# Altium PCB pqm_v2_310816.PcbDoc (part 2 of 2)
Units mil, origin at the board's own origin, x right, y up, seen from the top; angles counter-clockwise.
Board outline 5393.7 x 3307.09 mil, 2 copper layers (Top Layer, Bottom Layer); 241 components, 186 nets, 846 pads, 198 vias.
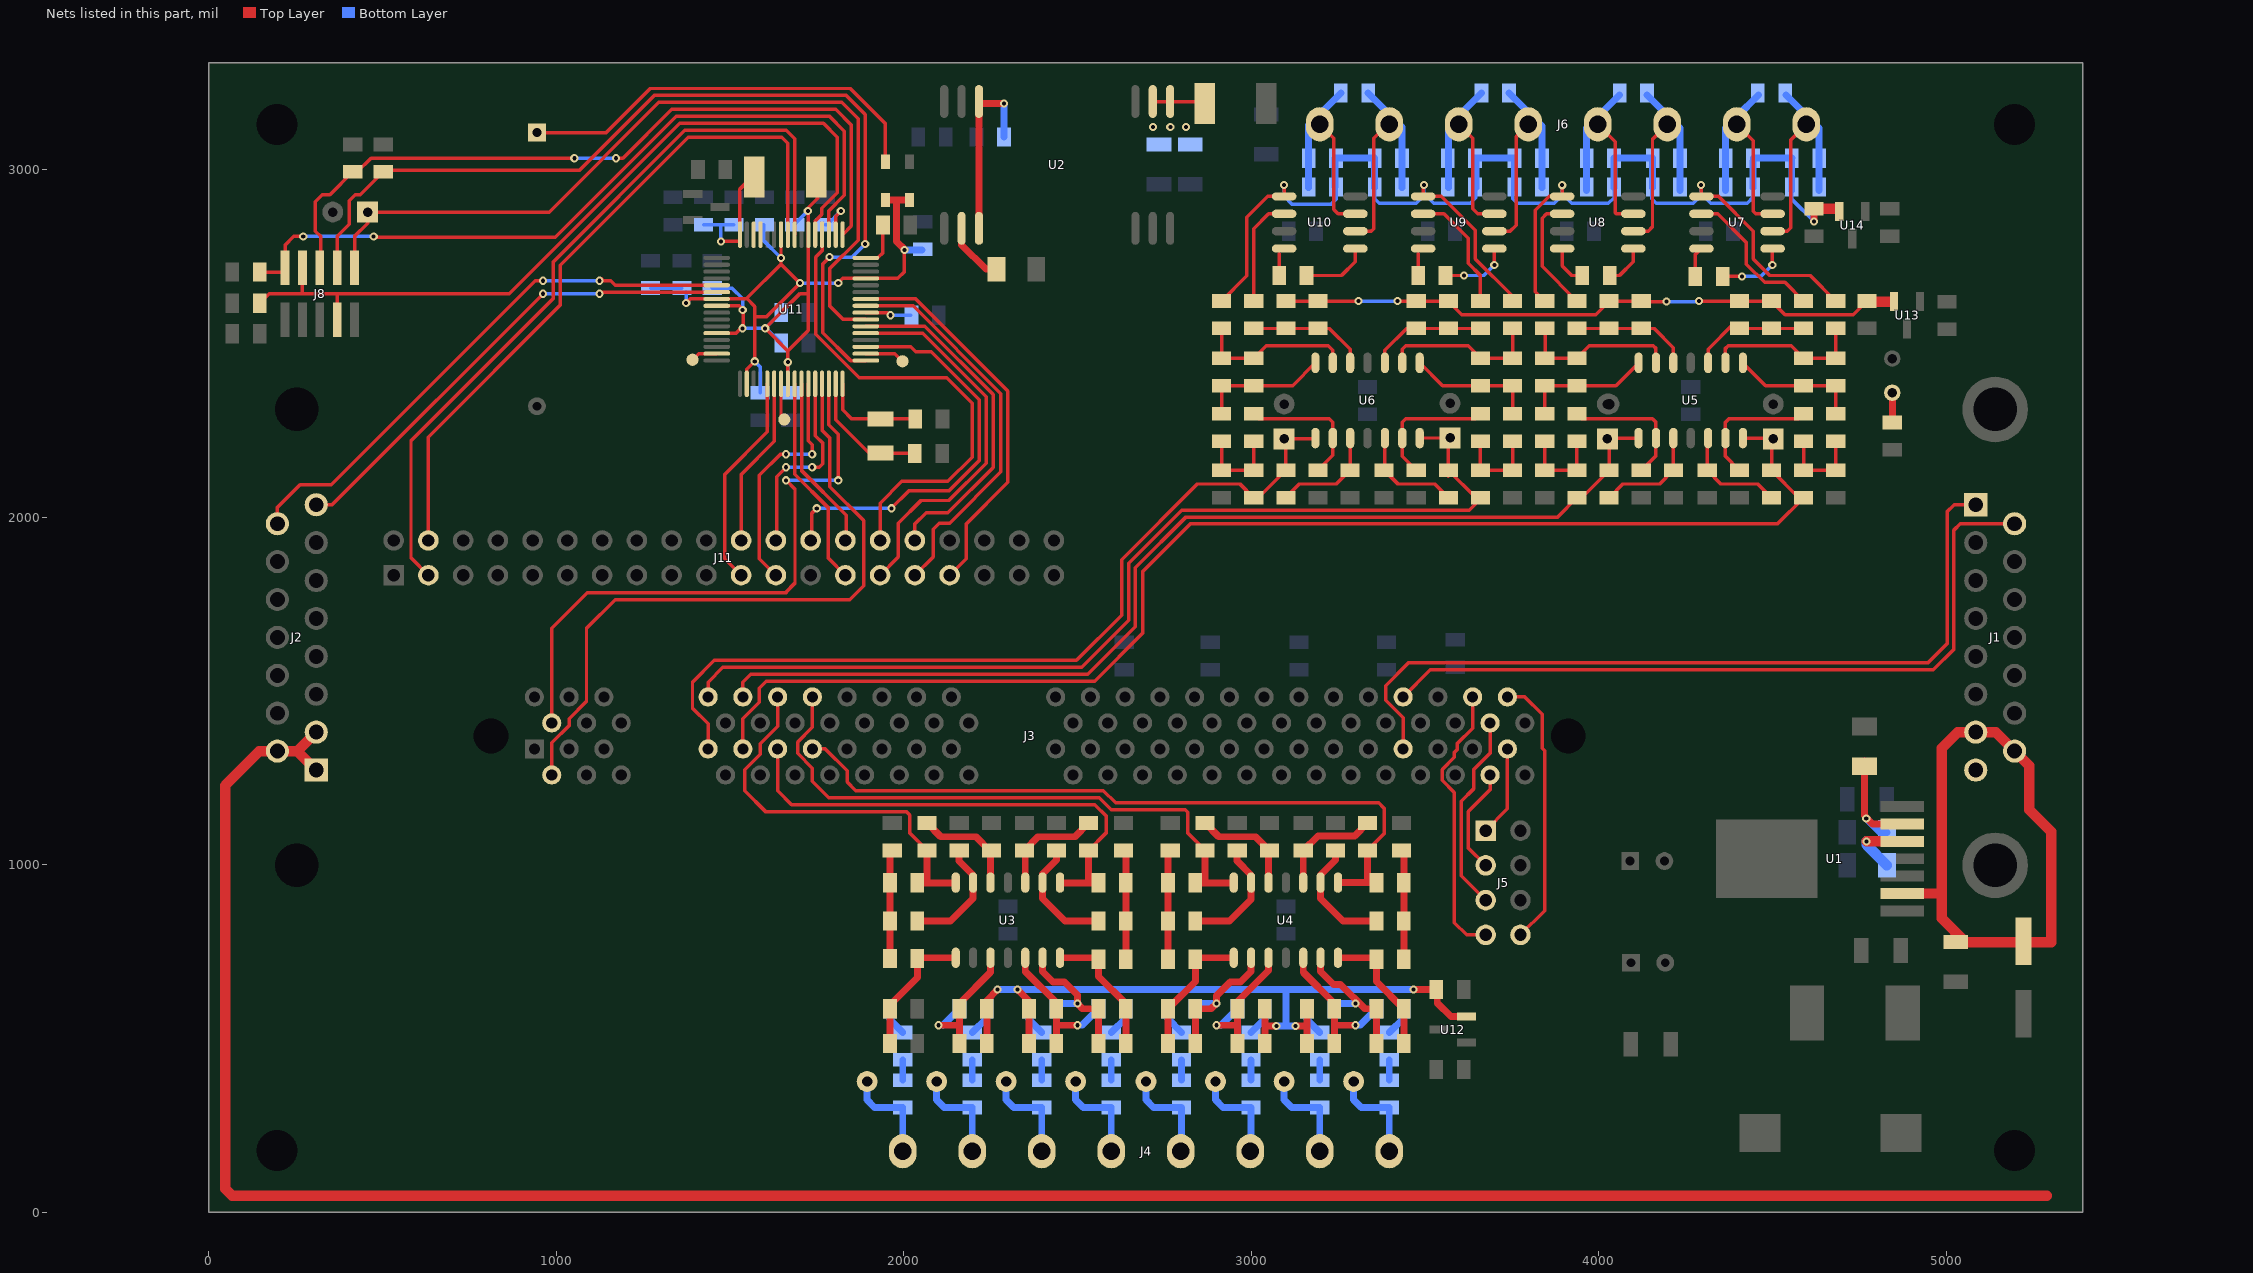
[diagram p2: the nets of this part, all layers, seen from the top]

## Via types
v1: diameter 23.62, hole 11.81, Top Layer to Bottom Layer, 198 vias

## Nets (pads, with @x,y where several pads share a name; then routed paths per layer and width w, separated by ;. In a path a pad name is that pad's centre, name@x,y a point inside that pad or via, vN(x,y) a via of type N, cw(c..) or ccw(c..) an arc to the next point about the centre after c; other vN are vias at no path point) (continued)
NetC8_2: C8.2 R8.1 R9.2 U3.1 | length 377
  Top Layer w20: R8.1@1960.63,485 C8.2@1960.63,585 ; C8.2@1960.63,595.63 2039.37,674.37 R9.2@2039.37,730 ; R9.2@2041.1,731.73 R9.2@2053.31,731.73 ; R9.2@2052.52,732.52 R9.2@2053.31,731.73 ; U3.1@2150,731.73 R9.2@2053.31,731.73
NetC9_1: C9.1 R9.1 R10.2 R16.2 | length 303.8
  Top Layer w20: R9.1@1960.63,730 C9.1@1960.63,947.5 R16.2@1960.63,1033.76
NetC9_2: C9.2 J3.61 R17.1 U3.14 | length 1138.6
  Top Layer w10: J3.61@1637.5,1482.2 1637.5,1397.5 1587.5,1347.5 1587.5,1317.5 1542.5,1272.5 1542.5,1212.5 1602.5,1152.5 2007.5,1152.5 2017.5,1142.5 2017.5,1090.63 R17.1@2067.5,1040.63
  Top Layer w20: C9.2@2039.37,947.5 U3.14@2149.23,947.5 ; 2067.5,947.5 R17.1@2067.5,1040.63
NetC10_1: C10.1 C17.1 C22.1 C29.1 C73.1 R15.2 R29.2 R43.2 R57.2 U12.2 | length 2161.5
  Top Layer w20: R15.2@2239.37,485 2239.37,609.37 v1(2270,640) ; v1(2327.5,640) 2360.63,606.87 C17.1@2360.63,585 R29.2@2360.63,485 ; R43.2@3039.37,485 3039.37,535 ; C22.1@3039.37,585 3039.37,535 ; v1(3072.5,535) 3039.37,535 ; v1(3127.5,535) 3158.13,535 ; R57.2@3160.63,485 C29.1@3160.63,585 ; v1(3467.5,640) 3535.63,640 3535.63,601.87 3575.1,562.4 U12.2@3619.37,562.4
  Bottom Layer w20: v1(2270,640) v1(2327.5,640) 3100,640 ; v1(3072.5,535) 3100,535 ; v1(3127.5,535) 3100,535 ; v1@3465,640 3100,640 ; 3100,535 3100,640
NetC10_2: C10.2 R13.1 R15.1 U3.3 | length 409.1
  Top Layer w20: v1(2100,537.5) 2158.13,537.5 ; R15.1@2160.63,485 2160.63,600.63 2250,690 U3.3@2250,731.73
  Bottom Layer w20: 2113.13,537.5 R13.1@2160.63,585
NetC11_2: C11.2 R10.1 U3.13 | length 364
  Top Layer w10: U3.13@2193.15,946.1 U3.13@2193.15,967.83
  Top Layer w20: R10.1@2039.37,837.5 2135,837.5 2200,902.5 U3.13@2200,948.27 2200,970 2160,1010 C11.2@2160,1040.63
NetC12_1: C12.1 R32.1 R46.2 U5.2 | length 475.9
  Top Layer w10: U5.2@4365,2443.27 4365,2485 4372.5,2492.5 4554.37,2492.5 C12.1@4590,2456.87 R46.2@4682.5,2456.87 R32.1@4682.5,2555.63
NetC12_2: C12.2 R46.1 R61.2 U5.1 | length 375.7
  Top Layer w10: U5.1@4415,2443.27 4480.14,2378.13 R46.1@4682.5,2378.13 R61.2@4682.5,2296.87
NetC15_1: C15.1 R21.1 R22.2 U3.6 | length 404.7
  Top Layer w20: U3.6@2400,731.73 2400,692.5 2430,662.5 2462.5,662.5 2500,625 v1(2500,600) 2515,585 C15.1@2560.63,585 R22.2@2560.63,485
  Bottom Layer w20: R21.1@2454.37,600 v1(2500,600)
NetC15_2: C15.2 R22.1 R23.2 U3.7 | length 367.1
  Top Layer w20: U3.7@2450,731.73 R23.2@2556.4,731.73 ; R23.2@2560.63,727.5 2560.63,678.13 C15.2@2639.37,599.39 ; R22.1@2639.37,485 C15.2@2639.37,585
NetC16_1: C16.1 R23.1 R24.2 R30.1 | length 306.3
  Top Layer w20: R23.1@2639.37,727.5 R30.1@2639.37,1033.76
NetC16_2: C16.2 J3.11 R28.1 U3.8 | length 1418.2
  Top Layer w10: J3.11@1637.5,1332.6 1637.5,1212.5 1677.5,1172.5 2550,1172.5 2582.5,1140 2582.5,1090.63 R28.1@2532.5,1040.63
  Top Layer w20: U3.8@2450.77,947.5 C16.2@2560.63,947.5 ; 2532.5,947.5 R28.1@2532.5,1040.63
NetC17_2: C17.2 R27.1 R29.1 U3.5 | length 422.2
  Top Layer w20: U3.5@2350,731.73 2350,692.5 2439.37,603.13 C17.2@2439.37,585 R29.1@2439.37,485 ; 2441.87,537.5 v1(2500,537.5)
  Bottom Layer w20: v1(2500,537.5) 2513.13,537.5 R27.1@2560.63,585
NetC18_2: C18.2 R24.1 U3.9 | length 342.3
  Top Layer w20: C18.2@2440,1040.63 2440,1012.5 2400,972.5 U3.9@2400,948.27 2400,902.5 2465,837.5 R24.1@2560.63,837.5
NetC19_1: C19.1 R61.1 R62.2 R67.2 | length 260
  Top Layer w10: R62.2@4590,2218.13 C19.1@4590,2134.37 R67.2@4682.5,2134.37 R61.1@4682.5,2218.13
NetC19_2: C19.2 J3.9 J9.1 R69.1 U5.14 | length 3826.3
  Top Layer w10: J3.9@1537.5,1332.6 1537.5,1420 1585,1467.5 1585,1507.5 1605,1527.5 2550,1527.5 2687.5,1665 2687.5,1842.5 2825,1980 2907.5,1980 4514.37,1980 C19.2@4590,2055.63 4576.24,2055.63 R69.1@4497.5,2134.37 J9.1@4497.5,2225 ; U5.14@4415,2226.73 J9.1@4495,2226.73
NetC20_1: C20.1 R35.1 R36.2 U4.2 | length 403.2
  Top Layer w20: R36.2@2839.37,485 C20.1@2839.37,585 2885,585 v1(2900,600) 2900,622.5 2940,662.5 2970,662.5 3000,692.5 U4.2@3000,731.73
  Bottom Layer w20: R35.1@2854.37,600 v1(2900,600)
NetC20_2: C20.2 R36.1 R37.2 U4.1 | length 381.5
  Top Layer w20: R36.1@2760.63,485 C20.2@2760.63,585 2839.37,663.74 R37.2@2839.37,727.5 ; R37.2@2843.6,731.73 U4.1@2950,731.73
NetC22_2: C22.2 R41.1 R43.1 U4.3 | length 404.1
  Top Layer w20: v1(2900,537.5) 2960.63,537.5 ; R43.1@2960.63,485 2960.63,537.5 ; C22.2@2960.63,585 2960.63,537.5 ; C22.2@2960.63,605.63 3050,695 U4.3@3050,731.73
  Bottom Layer w20: v1(2900,537.5) 2913.13,537.5 R41.1@2960.63,585
NetC23_2: C23.2 R38.1 U4.13 | length 322
  Top Layer w20: R38.1@2839.37,837.5 2937.5,837.5 3000,900 U4.13@3000,948.27 ; C23.2@2960,1040.63 2960,1010 U4.13@3000,970
NetC24_1: C24.1 C38.1 C42.1 C47.1 C78.1 R66.2 R79.2 R92.2 R105.2 U13.2 | length 1803.7
  Top Layer w10: R105.2@3100,2621.24 3192.5,2621.24 v1(3308.76,2621.24) ; v1(3421.26,2621.24) 3475,2621.24 3567.5,2621.24 3606.24,2582.5 3991.26,2582.5 4030,2621.24 C38.1@4122.5,2621.24 ; C38.1@4123.74,2620 v1(4195,2620) ; v1(4288.76,2621.24) 4405,2621.24 4497.5,2621.24 4536.24,2582.5 4733.13,2582.5 C78.1@4770.63,2620
  Top Layer w30: C78.1@4770.63,2620 U13.2@4842.5,2620
  Bottom Layer w10: v1(3308.76,2621.24) v1(3421.26,2621.24) ; v1(4195,2620) v1@4287.52,2620
NetC24_2: C24.2 R65.1 R66.1 U5.3 | length 344.5
  Top Layer w10: U5.3@4315,2443.27 4315,2482.5 C24.2@4388.13,2555.63 ; C24.2@4388.13,2542.5 4405,2542.5 4497.5,2542.5 R65.1@4590,2542.5
NetC27_1: C27.1 R49.1 R50.2 U4.6 | length 390
  Top Layer w20: U4.6@3200,731.73 3200,692.5 3237.5,655 3257.5,655 3327.5,585 C27.1@3360.63,585 R50.2@3360.63,485
  Bottom Layer w20: R49.1@3254.37,600 v1(3300,600)
NetC27_2: C27.2 R50.1 R51.1 U4.7 | length 381.9
  Top Layer w20: U4.7@3250,731.73 R51.1@3356.4,731.73 ; R51.1@3360.63,727.5 3360.63,663.13 3438.76,585 C27.2@3439.37,585 R50.1@3439.37,485
NetC28_1: C28.1 R51.2 R52.2 R58.2 | length 306.3
  Top Layer w20: R51.2@3439.37,727.5 R58.2@3439.37,1033.76
NetC28_2: C28.2 J3.13 R56.1 U4.8 | length 2075.8
  Top Layer w10: J3.13@1737.5,1332.6 1774.9,1332.6 1837.5,1270 1837.5,1237.5 1862.5,1212.5 2575,1212.5 2610,1177.5 3367.5,1177.5 3382.5,1162.5 3382.5,1145 3382.5,1088.13 R56.1@3335,1040.63
  Top Layer w20: U4.8@3250,948.27 C28.2@3359.86,948.27 ; 3335,950.77 R56.1@3335,1040.63
NetC29_2: C29.2 R55.1 R57.1 U4.5 | length 426.4
  Top Layer w20: U4.5@3150,731.73 3150,690 3237.5,602.5 C29.2@3237.5,580 ; R57.1@3239.37,485 C29.2@3239.37,585 ; 3241.87,537.5 v1(3300,537.5)
  Bottom Layer w20: v1(3300,537.5) 3313.13,537.5 R55.1@3360.63,585
NetC30_2: C30.2 R52.1 U4.9 | length 343.3
  Top Layer w20: C30.2@3242.5,1040.63 3242.5,1012.5 3200,970 U4.9@3200,948.27 3200,902.5 3265,837.5 R52.1@3360.63,837.5
NetC31_2: C31.2 R62.1 U5.13 | length 389.8
  Top Layer w10: C31.2@4405,2134.37 4365,2174.37 4365,2226.73 4365,2272.5 4375,2282.5 4575.63,2282.5 R62.1@4590,2296.87
NetC32_1: C32.1 C33.1 L2.2 U2.1 U2.2 | length 143.9
  Top Layer w10: U2.2@2716.87,3195.63 U2.1@2766.87,3195.63 L2.2@2860.79,3195.63
  other v1: 2717.5,3122.5 2767.5,3122.5 2812.5,3122.5
NetC34_1: C34.1 U2.12 U2.17 | length 528.1
  Top Layer w20: U2.17@2216.87,2825.63 U2.17@2216.87,2830.63 U2.12@2216.87,3190.63 ; U2.12@2222.5,3190 v1(2288.74,3190)
  Bottom Layer w20: C34.1@2288.74,3093.13 v1(2288.74,3190)
NetC36_1: C36.1 R72.1 R73.2 U5.6 | length 476.5
  Top Layer w10: R73.2@3845,2456.87 R73.2@3846.87,2456.87 ; R72.1@3846.87,2553.76 R73.2@3846.87,2456.87 ; U5.6@4165,2443.27 4165,2485 4157.5,2492.5 3973.13,2492.5 C36.1@3937.5,2456.87 R73.2@3846.87,2456.87
NetC36_2: C36.2 R73.1 R74.2 U5.7 | length 378.2
  Top Layer w10: R74.2@3845,2296.87 R73.1@3845,2378.13 C36.2@3937.5,2378.13 4049.86,2378.13 U5.7@4115,2443.27
NetC37_1: C37.1 R74.1 R75.2 R80.2 | length 260
  Top Layer w10: R74.1@3845,2218.13 R80.2@3845,2134.37 C37.1@3937.5,2134.37 R75.2@3937.5,2218.13
NetC37_2: C37.2 J3.59 J10.1 R82.1 U5.8 | length 3102.4
  Top Layer w10: J3.59@1537.5,1482.2 1537.5,1525 1560,1547.5 2530,1547.5 2666.24,1683.74 ; 2652.5,1670 2666.24,1683.74 ; 3892.5,2010.63 3881.87,2000 ; J10.1@4025,2226.73 U5.8@4115,2226.73 ; J10.1@4030,2225 R82.1@4030,2134.37 3951.26,2055.63 C37.2@3937.5,2055.63 3881.87,2000 ; 2666.24,1683.74 2666.24,1853.74 2812.5,2000 3881.87,2000
NetC38_2: C38.2 R78.1 R79.1 U5.5 | length 344.5
  Top Layer w10: R78.1@3937.5,2542.5 4160,2542.5 4215,2487.5 U5.5@4215,2443.27
NetC39_2: C39.2 R75.1 U5.9 | length 393.3
  Top Layer w10: R75.1@3937.5,2296.87 3951.87,2282.5 4155,2282.5 4165,2272.5 4165,2226.73 4165,2176.87 C39.2@4122.5,2134.37
NetC40_1: C40.1 R85.1 R86.2 U6.2 | length 473.8
  Top Layer w10: U6.2@3435,2443.9 3435,2482.5 3445,2492.5 3624.37,2492.5 C40.1@3660,2456.87 R86.2@3752.5,2456.87 R85.1@3752.5,2555.63
NetC40_2: C40.2 R86.1 R87.2 U6.1 | length 376
  Top Layer w10: U6.1@3485,2443.9 3550.77,2378.13 R86.1@3752.5,2378.13 R87.2@3752.5,2296.87
NetC41_1: C41.1 R87.1 R88.2 R93.2 | length 258.8
  Top Layer w10: R88.2@3660,2218.13 3660,2135 3752.5,2135 R87.1@3752.5,2218.13
NetC41_2: C41.2 J3.57 J12.1 R95.1 U6.14 | length 2884.2
  Top Layer w10: J3.57@1437.5,1482.2 1437.5,1525 1480,1567.5 2512.5,1567.5 2647.5,1702.5 2647.5,1867.5 2800,2020 3627.5,2020 C41.2@3660,2052.5 ; U6.14@3485,2227.36 J12.1@3567.5,2227.36 ; R95.1@3567.5,2117.02 R95.1@3567.5,2134.37 ; J12.1@3567.5,2227.5 3567.5,2135 C41.2@3646.24,2056.26
NetC42_2: C42.2 R91.1 R92.1 U6.3 | length 337
  Top Layer w10: U6.3@3385,2443.9 3385,2480 3447.5,2542.5 R91.1@3660,2542.5
NetC43_2: C43.2 R88.1 U6.13 | length 389.8
  Top Layer w10: C43.2@3475,2134.37 3435,2174.37 3435,2227.36 3435,2272.5 3445,2282.5 3645.63,2282.5 R88.1@3660,2296.87
NetC45_1: C45.1 R98.1 R99.2 U6.6 | length 474.8
  Top Layer w10: R98.1@2915,2555.63 R99.2@2915,2456.87 C45.1@3007.5,2456.87 3043.13,2492.5 3222.5,2492.5 3235,2480 U6.6@3235,2443.9
NetC45_2: C45.2 R99.1 R100.2 U6.7 | length 378.5
  Top Layer w10: R100.2@2915,2296.87 R99.1@2915,2378.13 3119.23,2378.13 U6.7@3185,2443.9
NetC46_1: C46.1 R100.1 R101.2 R106.2 | length 260
  Top Layer w10: R100.1@2915,2218.13 R106.2@2915,2134.37 C46.1@3007.5,2134.37 R101.2@3007.5,2218.13
NetC46_2: C46.2 J3.7 J13.1 R108.1 U6.8 | length 2470.2
  Top Layer w10: J3.7@1437.5,1332.6 1437.5,1405 1392.5,1450 1392.5,1525 1455,1587.5 2497.5,1587.5 2627.5,1717.5 2627.5,1877.5 2845,2095 2968.13,2095 C46.2@3007.5,2055.63 3020.63,2055.63 3100,2135 3100,2225 U6.8@3182.64,2225
NetC47_2: C47.2 R104.1 R105.1 U6.5 | length 341
  Top Layer w10: R104.1@3007.5,2542.5 3225,2542.5 3285,2482.5 U6.5@3285,2443.9
NetC48_2: C48.2 R101.1 U6.9 | length 392.7
  Top Layer w10: R101.1@3007.5,2296.87 3021.87,2282.5 3225,2282.5 3235,2272.5 3235,2227.36 3235,2177.5 C48.2@3192.5,2135
NetC54_1: C54.1 C55.1 C56.1 C57.1 C58.1 D2.1 D3.1 U11.7 U11.18 U11.45 U11.58 | length 1896.4
  Top Layer w10: v1(1374.37,2615.63) 1386.24,2627.5 U11.7@1462.15,2627.5 1548.43,2627.5 ; U11.18@1548.76,2383.41 1548.76,2425.02 v1(1571.71,2447.97) 1571.71,2605.79 1548.43,2629.07 1647.18,2727.82 ; 1574.37,2575.63 1604.37,2575.63 v1(1701.87,2673.13) 1647.18,2727.82 ; U11.58@1647.18,2812.54 1647.18,2727.82 ; v1(1811.87,2673.13) 1825.3,2686.56 U11.45@1891.28,2686.56 1982.8,2686.56 2002.5,2706.26 v1(2002.5,2768.13)
  Top Layer w20: D3.1@1947.5,2912.38 1980,2912.38 ; v1@2003.43,2769.07 1980,2792.5 1980,2912.38 ; D2.1@2017.5,2912.38 1980,2912.38
  Bottom Layer w10: C54.1@1271.87,2658.76 C55.1@1361.87,2658.76 ; v1(1374.37,2615.63) C55.1@1374.37,2646.26 ; v1(1571.71,2447.97) 1586.87,2432.82 C56.1@1586.87,2357.5 ; C58.1@1596.87,2841.26 1596.87,2795.63 v1(1646.87,2745.63) ; v1(1701.87,2673.13) v1(1811.87,2673.13)
  Bottom Layer w20: v1(2002.5,2768.13) C57.1@2052.5,2768.13
NetC59_1: C59.1 C61.2 C62.2 C63.2 C64.2 L3.1 U11.8 U11.12 U11.24 U11.54 | length 1571.7
  Top Layer w10: U11.12@1462.15,2529.07 1517.81,2529.07 1539.21,2550.47 1539.21,2595.47 1526.87,2607.82 U11.8@1462.15,2607.82 ; U11.24@1666.87,2383.41 v1(1666.87,2445.63) 1666.87,2477.82 ; 1723.43,2643.13 1701.87,2643.13 v1(1601.71,2542.97) 1666.87,2477.82 ; L3.1@1752.95,2990.63 1752.95,2916.71 1725.93,2889.69 U11.54@1725.93,2812.54 1725.93,2536.87 1666.87,2477.82
  Bottom Layer w10: C61.2@1449.37,2658.76 1506.24,2658.76 1536.87,2628.13 v1(1536.87,2595.63) ; v1(1536.71,2542.97) v1(1601.71,2542.97) ; C59.1@1646.87,2588.13 v1(1601.71,2542.97) ; C62.2@1647.5,2500.63 1605.16,2542.97 v1(1601.71,2542.97) ; C63.2@1666.87,2365 v1(1666.87,2445.63) ; C64.2@1686.87,2841.26 1686.87,2843.13 v1(1724.37,2880.63)
NetC60_1: C60.1 C65.2 L3.2 U11.64 | length 388.1
  Top Layer w10: v1(1474.37,2793.13) U11.64@1529.37,2793.13 ; U11.64@1529.07,2812.54 1529.07,2943.92 L3.2@1575.79,2990.63
  Bottom Layer w10: C65.2@1424.37,2841.26 1474.37,2841.26 ; v1(1474.37,2793.13) 1474.37,2841.26 ; C60.1@1511.87,2841.26 1474.37,2841.26
NetC67_1: C67.1 U11.32 Y1.1 | length 293.2
  Top Layer w10: U11.32@1824.35,2383.41 1824.35,2308.15 1850.31,2282.19 Y1.1@1934.21,2282.19 C67.1@2031.56,2282.19
NetC68_1: C68.1 U11.31 Y1.2 | length 337
  Top Layer w10: U11.31@1804.67,2383.41 1804.67,2280.33 Y1.2@1901.24,2183.76 ; Y1.2@1934.21,2183.76 C68.1@2031.56,2183.76
NetC74_1: C74.1 R37.1 R38.2 R44.1 | length 306.3
  Top Layer w20: R37.1@2760.63,727.5 R44.1@2760.63,1033.76
NetC74_2: C74.2 J3.63 R42.1 U4.14 | length 1715.3
  Top Layer w10: J3.63@1737.5,1482.2 1737.5,1395 1695,1352.5 1695,1320 1737.5,1277.5 1737.5,1240 1785,1192.5 2562.5,1192.5 2597.5,1157.5 2810,1157.5 2817.5,1150 2817.5,1090.63 R42.1@2867.5,1040.63
  Top Layer w20: C74.2@2839.37,947.5 U4.14@2949.23,947.5 ; 2867.5,960 R42.1@2867.5,1040.63
NetC77_1: C77.1 C79.2 C80.1 C81.2 C82.1 C83.2 C84.1 C85.2 C86.1 R14.1 R32.2 R72.2 R85.2 R98.2 R103.2 R111.1 R113.2 R115.1 R117.2 R119.1 R121.2 U7.5 U8.5 U9.5 U10.5 U14.2 | length 4762.9
  Top Layer w10: R98.2@2915.31,2621.56 2987.5,2693.74 2987.5,2862.5 3047.5,2922.5 U10.5@3095.14,2922.5 v1@3095.14,2954.86 ; v1@3495.14,2952.64 U9.5@3495.14,2922.5 3547.5,2922.5 3645,2825 3645,2742.5 3752.5,2635 R85.2@3752.5,2621.24 ; R72.2@3832.5,2633.74 3845,2621.24 3817.5,2648.74 3817.5,2882.5 3857.5,2922.5 U8.5@3895.14,2922.5 v1(3895.14,2954.86) ; U7.5@4294.86,2922.5 v1(4294.86,2955) ; U7.5@4295.82,2930.94 U7.5@4295.82,2922.5 4345,2922.5 4445,2822.5 4445,2742.5 4492.5,2695 4608.74,2695 4682.5,2621.24 R32.2@4697.5,2636.24
  Top Layer w20: v1(4620,2850) C77.1@4620,2886.87
  Top Layer w30: C77.1@4620,2886.87 U14.2@4687.5,2886.87
  Bottom Layer w10: v1(3095,2955) 3095,2922.5 3117.5,2900 3230,2900 3244.37,2914.37 C86.1@3244.37,2947.5 ; C85.2@3355.63,2947.5 3355.63,2915.63 3368.76,2902.5 3475,2902.5 3497.5,2925 3497.5,2930 ; v1(3497.5,2955) 3497.5,2930 ; R117.2@3644.37,3032.5 R117.2@3646.87,3030 ; C84.1@3646.87,2947.5 3646.87,2919.37 3630,2902.5 3525,2902.5 3497.5,2930 ; C83.2@3753.27,2947.36 3753.27,2915.49 3766.4,2902.36 3872.64,2902.36 3895.14,2924.86 ; v1(3895.14,2954.86) 3895.14,2929.86 3922.64,2902.36 4027.64,2902.36 4044.51,2919.23 C82.1@4044.51,2947.36 ; C81.2@4152.99,2947.5 4152.99,2915.63 4166.12,2902.5 4272.36,2902.5 4294.86,2925 ; v1(4294.86,2955) 4294.86,2930 4322.36,2902.5 4427.36,2902.5 4444.23,2919.37 C80.1@4444.23,2947.5 ; C80.1@4444.37,2940 C80.1@4444.37,2947.5 ; C79.2@4556.31,2948.44 4556.31,2913.69 v1(4620,2850)
  Bottom Layer w20: C86.1@3241.87,2950 3241.87,3032.5 R119.1@3355.63,3032.5 C85.2@3355.63,2947.5 ; R117.2@3644.37,3032.5 R115.1@3758.13,3032.5 C83.2@3758.13,2947.5 ; C84.1@3646.87,2947.5 R117.2@3646.87,3030 ; C82.1@4044.37,2947.5 R113.2@4044.37,3032.5 R111.1@4155.63,3032.5 C81.2@4155.63,2947.5 ; C80.1@4444.37,2947.5 R103.2@4444.37,3025 ; R103.2@4445.06,3033.44 R14.1@4556.31,3033.44 ; C79.2@4555.63,2940 R14.1@4555.63,3025
NetC79_1: C79.1 J6.1 R14.2 R110.2 U7.2 | length 687.3
  Top Layer w10: U7.2@4499.86,2822.5 4542.5,2822.5 4552.5,2832.5 4552.5,3085 J6.1@4597.5,3130
  Bottom Layer w20: R110.2@4539.37,3215 4634.37,3120 4634.37,3025 C79.1@4634.37,2940
NetC80_2: C80.2 J6.2 R103.1 R110.1 U7.3 | length 663.9
  Top Layer w10: J6.2@4397.5,3130 4445,3082.5 4445,2880 4452.5,2872.5 U7.3@4499.86,2872.5
  Bottom Layer w10: J6.2@4397.5,3130 J6.2@4397.5,3151.87
  Bottom Layer w20: C80.2@4365.63,2940 4365.63,3025 4365.63,3120 4397.5,3151.87 R110.1@4460.63,3215
NetC81_1: C81.1 J6.3 R63.2 R111.2 U8.2 | length 687.3
  Top Layer w10: U8.2@4099.86,2822.5 4142.5,2822.5 4155,2835 4155,3087.5 J6.3@4197.5,3130
  Bottom Layer w20: R63.2@4139.37,3215 4234.37,3120 4234.37,3025 C81.1@4234.37,2940
NetC82_2: C82.2 J6.4 R63.1 R113.1 U8.3 | length 643.5
  Top Layer w10: J6.4@3997.5,3130 4047.5,3080 4047.5,2875 4050,2872.5 U8.3@4099.86,2872.5
  Bottom Layer w20: C82.2@3965.63,2940 3965.63,3025 3965.63,3120 R63.1@4060.63,3215
NetC83_1: C83.1 J6.5 R70.2 R115.2 U9.2 | length 686.2
  Top Layer w10: U9.2@3699.86,2822.5 3745,2822.5 3762.5,2840 3762.5,3095 J6.5@3797.5,3130
  Bottom Layer w20: R70.2@3741.87,3220 3836.87,3125 R115.2@3836.87,3032.5 C83.1@3836.87,2947.5
NetC84_2: C84.2 J6.6 R70.1 R117.1 U9.3 | length 639.5
  Top Layer w10: J6.6@3597.5,3130 3637.5,3090 3637.5,2887.5 3652.5,2872.5 U9.3@3699.86,2872.5
  Bottom Layer w20: C84.2@3568.13,2947.5 3568.13,3125 R70.1@3663.13,3220
NetC85_1: C85.1 J6.7 R76.2 R119.2 U10.2 | length 685.2
  Top Layer w10: U10.2@3299.86,2822.5 3345,2822.5 3352.5,2830 3352.5,3090 J6.7@3392.5,3130
  Bottom Layer w20: R76.2@3336.87,3220 3434.37,3122.5 R119.2@3434.37,3032.5 C85.1@3434.37,2947.5
NetC86_2: C86.2 J6.8 R76.1 R121.1 U10.3 | length 639.9
  Top Layer w10: J6.8@3197.5,3130 3237.5,3090 3237.5,2885 3250,2872.5 U10.3@3299.86,2872.5
  Bottom Layer w20: C86.2@3165.63,2947.5 3165.63,3127.5 R76.1@3258.13,3220
NetD3_2: D3.2 J7.1 | length 1206.6
  Top Layer w10: J7.1@945,3106.2 1143.7,3106.2 1270.63,3233.13 1846.87,3233.13 1947.5,3132.5 D3.2@1947.5,3022.62
NetD8_1: D8.1 R102.1 | length 85.6
  Top Layer w20: R102.1@4845,2271.87 D8.1@4845,2357.5
NetJ1_1: J1.1 J3.43 | length 2338.8
  Top Layer w10: J3.43@3437.5,1332.6 3437.5,1422.5 3387.5,1472.5 3387.5,1515 3452.5,1580 4947.5,1580 5002.5,1635 5002.5,2015 5022.74,2035.24 J1.1@5085.08,2035.24
NetJ1_9: J1.9 J3.93 | length 2166.5
  Top Layer w10: J3.93@3437.5,1482.2 3515.3,1560 4962.5,1560 5022.5,1620 5022.5,1962.5 5040.71,1980.71 J1.9@5196.89,1980.71
NetJ4_1: J4.1 pad.1 R5.2 | length 289.7
  Bottom Layer w20: pad.1@1895,375.63 1895,323.13 1916.87,301.26 R5.2@1997.5,301.26 ; J4.1@1997.5,175 R5.2@1997.5,300.63
NetJ4_2: J4.2 pad.2@2095,375.63 R11.2 | length 289.7
  Bottom Layer w20: pad.2@2095,375.63 2095,323.13 2116.87,301.26 R11.2@2197.5,301.26 ; J4.2@2197.5,175 R11.2@2197.5,300.63
NetJ4_3: J4.3 pad.3 R19.2 | length 289.7
  Bottom Layer w20: pad.3@2295,375.63 2295,323.13 2316.87,301.26 R19.2@2397.5,301.26 ; J4.3@2397.5,175 R19.2@2397.5,300.63
NetJ4_4: J4.4 pad.4 R25.2 | length 289.7
  Bottom Layer w20: pad.4@2495,375.63 2495,323.13 2516.87,301.26 R25.2@2597.5,301.26 ; J4.4@2597.5,175 R25.2@2597.5,300.63
NetJ4_5: J4.5 pad.5 R33.2 | length 287.2
  Bottom Layer w20: pad.5@2697.5,375.63 2697.5,323.13 2719.37,301.26 R33.2@2800,301.26 ; J4.5@2800,177.5 R33.2@2800,300.63
NetJ4_6: J4.6 pad.6 R39.2 | length 320.8
  Top Layer w20: J4.6@3000,172.5 J4.6@3021.26,193.76
  Bottom Layer w20: pad.6@2897.5,375.63 2897.5,323.13 2919.37,301.26 R39.2@3000,301.26 ; J4.6@2997.5,175 3000,177.5 R39.2@3000,300.63
NetJ4_7: J4.7 pad.7 R47.2 | length 289.7
  Bottom Layer w20: pad.7@3095,375.63 3095,323.13 3116.87,301.26 R47.2@3197.5,301.26 ; J4.7@3197.5,175 R47.2@3197.5,300.63
NetJ4_8: J4.8 pad.8 R53.2 | length 289.7
  Bottom Layer w20: pad.8@3295,375.63 3295,323.13 3316.87,301.26 R53.2@3397.5,301.26 ; J4.8@3397.5,175 R53.2@3397.5,300.63
NetR1_2: R1.2 R3.1 U1.6 | length 352.2
  Top Layer w20: R1.2@4764.59,1297.5 4764.59,1140.41 4788.37,1116.63 U1.6@4873.72,1116.63
  Bottom Layer w20: v1(4770,1132.5) 4810,1092.5 R3.1@4829.59,1092.5
NetR2_2: R2.2 U1.5 | length 196.3
  Top Layer w30: v1(4770.87,1066.63) U1.5@4873.72,1066.63
  Bottom Layer w30: v1(4770.87,1066.63) 4770.87,1056.22 R2.2@4829.59,997.5
NetR4_1: R4.1 R17.2 U3.12 | length 306
  Top Layer w20: R17.2@2067.5,1119.37 2106.87,1080 2208.13,1080 2250,1038.13 U3.12@2250,948.27
NetR5_1: R5.1 R6.2 | length 58.8
  Bottom Layer w20: R5.1@1997.5,379.37 R6.2@1997.5,438.13
NetR6_1: R6.1 R7.2 | length 83.4
  Bottom Layer w20: R7.2@1960.63,585 1960.63,553.74 R6.1@1997.5,516.87
NetR11_1: R11.1 R12.2 | length 58.8
  Bottom Layer w20: R11.1@2197.5,379.37 R12.2@2197.5,438.13
NetR12_1: R12.1 R13.2 | length 85.5
  Bottom Layer w20: R12.1@2197.5,516.87 2239.37,558.74 R13.2@2239.37,585
NetR18_1: R18.1 U7.8 | length 87
  Top Layer w10: R18.1@4278.13,2692.5 4278.13,2755.49 U7.8@4295.14,2772.5
NetR18_2: R18.2 U7.1 | length 203.9
  Top Layer w10: R18.2@4356.87,2692.5 v1(4412.5,2692.5) ; v1(4499.86,2725.14) U7.1@4499.86,2772.5
  Bottom Layer w10: v1(4412.5,2692.5) 4467.22,2692.5 v1(4499.86,2725.14)
NetR19_1: R19.1 R20.2 | length 58.8
  Bottom Layer w20: R19.1@2397.5,379.37 R20.2@2397.5,438.13
NetR20_1: R20.1 R21.2 | length 83.4
  Bottom Layer w20: R21.2@2360.63,585 2360.63,553.74 R20.1@2397.5,516.87
NetR25_1: R25.1 R26.2 | length 58.8
  Bottom Layer w20: R25.1@2597.5,379.37 R26.2@2597.5,438.13
NetR26_1: R26.1 R27.2 | length 85.5
  Bottom Layer w20: R26.1@2597.5,516.87 2639.37,558.74 R27.2@2639.37,585
NetR28_2: R28.2 R31.1 U3.10 | length 312
  Top Layer w20: R31.1@2340,1035.63 R31.1@2345,1040.63 ; R31.1@2347.5,1040.63 2386.87,1080 2493.13,1080 R28.2@2532.5,1119.37 ; U3.10@2350,948.27 R31.1@2350,1035.63
NetR33_1: R33.1 R34.2 | length 58.8
  Bottom Layer w20: R33.1@2800,379.37 R34.2@2800,438.13
NetR34_1: R34.1 R35.2 | length 84.4
  Bottom Layer w20: R35.2@2760.63,585 2760.63,556.24 R34.1@2800,516.87
NetR39_1: R39.1 R40.2 | length 58.8
  Bottom Layer w20: R39.1@3000,379.37 R40.2@3000,438.13
NetR40_1: R40.1 R41.2 | length 84.4
  Bottom Layer w20: R40.1@3000,516.87 3039.37,556.24 R41.2@3039.37,585
NetR42_2: R42.2 R45.1 U4.12 | length 307.5
  Top Layer w20: R42.2@2867.5,1119.37 2906.87,1080 3013.13,1080 R45.1@3052.5,1040.63 ; U4.12@3050,948.27 R45.1@3050,1038.13
NetR47_1: R47.1 R48.2 | length 58.8
  Bottom Layer w20: R47.1@3197.5,379.37 R48.2@3197.5,438.13
NetR48_1: R48.1 R49.2 | length 83.4
  Bottom Layer w20: R49.2@3160.63,585 3160.63,553.74 R48.1@3197.5,516.87
NetR53_1: R53.1 R54.2 | length 58.8
  Bottom Layer w20: R53.1@3397.5,379.37 R54.2@3397.5,438.13
NetR54_1: R54.1 R55.2 | length 85.5
  Bottom Layer w20: R54.1@3397.5,516.87 3439.37,558.74 R55.2@3439.37,585
NetR56_2: R56.2 R59.1 U4.10 | length 310
  Top Layer w20: U4.10@3150,948.27 R59.1@3150,1040.63 3191.87,1082.5 3298.13,1082.5 R56.2@3335,1119.37
NetR60_1: R60.1 U2.16 | length 174.8
  Top Layer w20: U2.16@2166.87,2828.13 2166.87,2783.13 2236.87,2713.13 R60.1@2267.7,2713.13
NetR64_1: R64.1 U8.8 | length 119.5
  Top Layer w10: U8.8@3895.14,2772.5 3895.14,2722.36 3922.5,2695 R64.1@3953.13,2695
NetR64_2: R64.2 U8.1 | length 122.1
  Top Layer w10: R64.2@4031.87,2695 4060,2695 4099.86,2734.86 U8.1@4099.86,2772.5
NetR65_2: R65.2 U7.6 | length 435.5
  Top Layer w10: U7.6@4295.14,2872.5 4342.5,2872.5 4425,2790 4425,2727.5 4477.5,2675 4536.24,2675 R65.2@4590,2621.24
NetR68_1: R68.1 R69.2 U5.12 | length 311
  Top Layer w10: U5.12@4315,2226.73 4312.5,2224.23 R68.1@4312.5,2134.37 4351.87,2095 4458.13,2095 R69.2@4497.5,2055.63
NetR71_1: R71.1 U9.8 | length 63
  Top Layer w10: R71.1@3480.63,2695 3480.63,2757.99
NetR71_2: R71.2 U9.1 | length 200.3
  Top Layer w10: R71.2@3559.37,2695 v1(3612.5,2695) ; v1(3699.86,2725.14) U9.1@3699.86,2772.5
  Bottom Layer w10: v1(3612.5,2695) 3669.72,2695 v1(3699.86,2725.14)
NetR77_1: R77.1 U10.8 | length 63
  Top Layer w10: R77.1@3080.63,2695 3080.63,2757.99
NetR77_2: R77.2 U10.1 | length 194.6
  Top Layer w10: R77.2@3159.37,2695 3260,2695 3299.86,2734.86 U10.1@3299.86,2772.5
NetR78_2: R78.2 U8.6 | length 357.1
  Top Layer w10: U8.6@3895.14,2872.5 3850,2872.5 3837.5,2860 3837.5,2721.24 3937.5,2621.24 R78.2@3947.5,2631.24
NetR81_1: R81.1 R82.2 U5.10 | length 310
  Top Layer w10: R82.2@4030,2055.63 4069.37,2095 4175.63,2095 R81.1@4215,2134.37 U5.10@4215,2226.73
NetR91_2: R91.2 U9.6 | length 357.5
  Top Layer w10: U9.6@3495.14,2872.5 3555,2872.5 3625,2802.5 3625,2730 3660,2695 R91.2@3660,2621.87 R91.2@3657.5,2624.37
NetR94_1: R94.1 R95.2 U6.12 | length 311
  Top Layer w10: U6.12@3385,2227.36 3385,2137.5 3382.5,2135 3422.5,2095 3528.76,2095 R95.2@3567.5,2056.26
NetR96_2: R96.2 U11.50 | length 135.5
  Top Layer w10: U11.50@1804.67,2812.54 1804.67,2865.93 v1(1819.37,2880.63)
  Bottom Layer w10: R96.2@1774.37,2841.26 1780,2841.26 v1(1819.37,2880.63)
NetR97_2: R97.2 U11.40 | length 131.8
  Top Layer w10: U11.40@1891.28,2588.13 1954.37,2588.13 v1(1961.87,2580.63)
  Bottom Layer w10: v1(1961.87,2580.63) R97.2@2020,2580.63
NetR104_2: R104.2 U10.6 | length 326.9
  Top Layer w10: R104.2@3007.5,2617.5 3007.5,2830 3050,2872.5 U10.6@3095.14,2872.5 ; R104.2@3007.5,2621.24 R104.2@3016.63,2621.24
NetR107_1: R107.1 R108.2 U6.10 | length 310
  Top Layer w10: R108.2@3100,2056.26 3138.74,2095 3245,2095 3285,2135 U6.10@3285,2227.36
NetR109_1: R109.1 U11.48 | length 124.9
  Top Layer w10: U11.48@1891.28,2745.61 1925.61,2745.61 1940.63,2760.63 R109.1@1940.63,2830
PA6: pad.34 U11.34 | length 114.7
  Top Layer w10: U11.34@1891.28,2470.02 1974.98,2470.02 pad.34@1996.87,2448.13
PA23: pad.2@1392.5,2452.5 U11.15 | length 76.9
  Top Layer w10: pad.2@1392.5,2452.5 1410.02,2470.02 U11.15@1462.15,2470.02
PA24: pad.2@1656.87,2280.63 U11.23 | length 106.8
  Top Layer w10: U11.23@1647.18,2383.41 1647.18,2290.32 pad.2@1656.87,2280.63
PB8: U11.61
PB9: U11.62
R\E\S\E\T\: J8.10 J14.1 U11.39 | length 2430.3
  Top Layer w10: J8.10@420,2717.5 420,2807.5 457.5,2845 J14.1@457.5,2877.5 980,2877.5 1295.63,3193.13 1821.87,3193.13 1869.37,3145.63 1869.37,2796.48 1786.87,2713.98 1786.87,2608.13 1826.56,2568.44 U11.39@1891.28,2568.44
SD_CD: J11.27 U11.25 | length 611.4
  Top Layer w10: U11.25@1686.56,2383.41 1686.56,2123.45 1782.5,2027.5 1782.5,1882.5 J11.27@1832.5,1832.5
SD_MCCDA: J11.32 U11.38 | length 997.3
  Top Layer w10: U11.38@1891.28,2548.76 2061.24,2548.76 2257.5,2352.5 2257.5,2142.5 2127.5,2012.5 2065,2012.5 2032.5,1980 J11.32@2032.5,1932.5
SD_MCCK: J11.31 U11.41 | length 1136
  Top Layer w10: U11.41@1891.28,2607.82 2027.18,2607.82 2280,2355 2280,2130 2132.5,1982.5 2102.5,1982.5 2085,1965 2085,1885 J11.31@2032.5,1832.5
SD_MCDA0: J11.33 U11.42 | length 1117.9
  Top Layer w10: U11.42@1891.28,2627.5 2035,2627.5 2300,2362.5 2300,2100 2180,1980 2180,1880 J11.33@2132.5,1832.5
SD_MCDA1: J11.30 U11.52 | length 1409.6
  Top Layer w10: U11.52@1765.3,2812.54 1765.3,2766.56 1746.87,2748.13 1746.87,2525.63 1871.87,2400.63 2124.37,2400.63 2197.5,2327.5 2197.5,2172.5 2127.5,2102.5 1995,2102.5 1932.5,2040 J11.30@1932.5,1932.5
SD_MCDA2: J11.28 U11.26 | length 504.2
  Top Layer w10: U11.26@1706.24,2383.41 1706.24,2133.76 1835,2005 J11.28@1835,1932.5
SD_MCDA3: J11.29 U11.37 | length 1108.9
  Top Layer w10: U11.37@1891.28,2529.07 2054.71,2529.07 2237.5,2346.29 2237.5,2155 2130,2047.5 2050,2047.5 1985,1982.5 1985,1885 J11.29@1932.5,1832.5
SPI_MISO: J11.23 U11.27 | length 691.5
  Top Layer w10: J11.23@1632.5,1832.5 1585,1880 1585,2120 1645.63,2180.63 v1(1661.87,2180.63) ; U11.27@1725.93,2383.41 1725.93,2219.07 1736.87,2208.13 v1(1736.87,2180.63)
  Bottom Layer w10: v1(1661.87,2180.63) v1(1736.87,2180.63)
SPI_MOSI: J11.22 U11.22 | length 490.3
  Top Layer w10: J11.22@1532.5,1932.5 1532.5,2122.5 1627.5,2217.5 U11.22@1627.5,2383.41
SPI_NPCS0: J11.24 U11.28 | length 570
  Top Layer w10: J11.24@1635,1932.5 1635,2116.26 v1(1661.87,2143.13) ; v1(1736.87,2143.13) 1756.87,2143.13 1766.87,2153.13 1766.87,2213.13 1745.61,2234.39 U11.28@1745.61,2383.41
  Bottom Layer w10: v1(1661.87,2143.13) v1(1736.87,2143.13)
SPI_NPCS3: J11.26 U11.35 | length 1187.4
  Top Layer w10: J11.26@1735,1932.5 1735,2010 v1(1750,2025) ; U11.35@1891.28,2489.7 2020.3,2489.7 2034.37,2475.63 2079.37,2475.63 2217.5,2337.5 2217.5,2162.5 2130,2075 2015,2075 v1(1965,2025)
  Bottom Layer w10: v1(1750,2025) v1(1965,2025)
SPI_SPCK: J11.21 U11.21 | length 621.5
  Top Layer w10: J11.21@1532.5,1832.5 1485,1880 1485,2122.5 1607.81,2245.31 U11.21@1607.81,2383.41
TCK: J8.4 J8.7 R89.1 U11.53 | length 2372
  Top Layer w10: R89.1@146.87,2615 174.37,2642.5 ; R89.1@157.5,2625.63 174.37,2642.5 ; 270,2645 J8.4@270,2717.5 ; J8.7@370,2567.5 370,2642.5 ; U11.53@1745.61,2812.54 1745.61,2851.87 1764.37,2870.63 1764.37,2888.13 1809.37,2933.13 1809.37,3093.13 1769.37,3133.13 1355.63,3133.13 865,2642.5 370,2642.5 ; 174.37,2642.5 370,2642.5
TCK_DSP: J3.48 J5.3 | length 306.9
  Top Layer w10: J5.3@3675,997.5 3625,1047.5 3625,1152.5 3687.5,1215 J3.48@3687.5,1257.8
TDI: J8.8 R83.1 U11.33 | length 2775
  Top Layer w10: J8.8@370,2717.5 370,2807.5 405,2842.5 405,2910 422.5,2927.5 436.87,2927.5 R83.1@502.5,2993.13 ; R83.1@506.87,2997.5 1067.5,2997.5 ; 1000,2997.5 1067.5,2997.5 ; v1(1786.87,2748.13) 1766.87,2728.13 1766.87,2530.63 1847.17,2450.33 U11.33@1891.28,2450.33 ; v1(1889.37,2785.63) 1889.37,3158.13 1834.37,3213.13 1283.13,3213.13 1067.5,2997.5
  Bottom Layer w10: v1(1786.87,2748.13) 1851.87,2748.13 v1(1889.37,2785.63)
TDI_DSP: J3.97 J5.7 | length 805
  Top Layer w10: J3.97@3637.5,1482.2 3637.5,1392.5 3592.5,1347.5 3592.5,1330 3585,1322.5 3585,1308.41 3549.94,1273.35 3549.94,1242.24 3585,1207.18 3585,832.5 3620,797.5 J5.7@3675,797.5
TDO: J8.6 R84.1 U11.49 | length 2177.1
  Top Layer w10: J8.6@322.5,2720 322.5,2807.5 307.5,2822.5 307.5,2907.5 327.5,2927.5 349.37,2927.5 R84.1@415,2993.13 ; R84.1@428.13,2993.13 467.5,3032.5 v1(1052.5,3032.5) ; v1(1172.5,3032.5) 1192.5,3032.5 1333.13,3173.13 1804.37,3173.13 1849.37,3128.13 1849.37,2837.56 U11.49@1824.35,2812.54
  Bottom Layer w10: v1(1052.5,3032.5) v1(1172.5,3032.5)
TDO_DSP: J3.98 J5.5 | length 573.1
  Top Layer w10: J5.5@3675,897.5 3605,967.5 3605,1182.5 3640,1217.5 3640,1272.5 3687.5,1320 J3.98@3687.5,1407.4
TMS: J8.2 R90.1 U11.51 | length 2223.3
  Top Layer w10: R90.1@146.87,2705 J8.2@220,2705 ; J8.2@220,2717.5 220,2782.5 245,2807.5 v1(272.5,2807.5) ; v1@475,2805 997.5,2805 1345.63,3153.13 1786.87,3153.13 1829.37,3110.63 1829.37,2925.63 1784.37,2880.63 U11.51@1784.37,2825.63
  Bottom Layer w10: v1(272.5,2807.5) v1(475,2807.5)
TMS_DSP: J3.49 J5.1 | length 261
  Top Layer w10: J5.1@3675,1097.5 3737.5,1160 J3.49@3737.5,1332.6
TRSTN: J3.99 J5.8 | length 787.7
  Top Layer w10: J3.99@3737.5,1482.2 3787.8,1482.2 3837.5,1432.5 3837.5,1335 3845,1327.5 3845,867.5 J5.8@3775,797.5
UART0_RX: J3.52 U11.30 | length 1774.1
  Top Layer w10: J3.52@987.5,1407.4 987.5,1680 1090,1782.5 1662.5,1782.5 ; 1660,1782.5 1687.5,1810 1687.5,2080 v1(1661.87,2105.63) ; U11.30@1784.98,2383.41 1784.98,2265.02 1811.87,2238.13 v1(1811.87,2105.63)
  Bottom Layer w10: v1(1661.87,2105.63) v1(1811.87,2105.63)
UART0_TX: J3.2 U11.29 | length 1942.1
  Top Layer w10: J3.2@987.5,1257.8 987.5,1350 1037.5,1400 1037.5,1420 1087.5,1470 1087.5,1680 1170,1762.5 1845,1762.5 1885,1802.5 1885,1990 1787.5,2087.5 1787.5,2228.13 ; U11.29@1765.3,2383.41 1765.3,2249.7 1786.87,2228.13
UART1_RX: J2.15 U11.5 | length 1595.4
  Top Layer w10: J2.15@198.11,1980.71 198.11,2027.5 263.11,2092.5 352.5,2092.5 940,2680 v1(962.5,2680) ; v1@1131.24,2686.24 v1(1125,2680) 1157.5,2680 1170.63,2666.87 U11.5@1462.15,2666.87
  Bottom Layer w10: v1(962.5,2680) v1(1125,2680)
UART1_TX: J2.8 U11.6 | length 1403.8
  Top Layer w10: J2.8@309.92,2035.24 355.24,2035.24 v1(962.5,2642.5) ; v1@1125,2647.19 U11.6@1462.15,2647.19
  Bottom Layer w10: v1(962.5,2642.5) v1(1125,2642.5)
USB_DDM: J11.3 U11.56 | length 2229.9
  Top Layer w10: J11.3@632.5,1832.5 582.5,1882.5 582.5,2220 992.5,2630 992.5,2735 1370.63,3113.13 1661.87,3113.13 1686.56,3088.45 U11.56@1686.56,2812.54
USB_DDP: J11.4 U11.57 | length 2027.1
  Top Layer w10: J11.4@632.5,1932.5 632.5,2230 1012.5,2610 1012.5,2725 1347.5,3060 1380.63,3093.13 1649.37,3093.13 1666.87,3075.63 U11.57@1666.87,2812.54
VIN: C2.1 C3.1 J1.7 J1.8 J1.15 J2.1 J2.2 J2.9 U1.2 | length 8604.5
  Top Layer w30: J2.1@309.92,1271.85 255.39,1326.38 ; J2.2@309.92,1380.91 255.39,1326.38 ; U1.2@4873.72,916.63 4987.5,916.63 ; 5290,47.5 67.5,47.5 47.5,67.5 47.5,1227.5 146.38,1326.38 J2.9@198.11,1326.38 255.39,1326.38 ; 5302.5,776.83 5055.67,776.83 4987.5,845 4987.5,1335 5033.41,1380.91 5142.36,1380.91 5239.39,1283.88 5239.39,1158.11 5302.5,1095 5302.5,777.5
pads on no net: J1.2 J1.3 J1.10 J1.11 J1.16 J1.17 J2.6 J2.13 J2.16 J2.17 J3.3 J3.4 J3.5 J3.15 J3.16 J3.17 J3.18 J3.19 J3.20 J3.21 J3.22 J3.23 J3.24 J3.25 J3.26 J3.28 J3.29 J3.30 J3.31 J3.32 J3.33 J3.34 J3.35 J3.36 J3.38 J3.39 J3.40 J3.41 J3.42 J3.44 J3.45 J3.46 J3.53 J3.54 J3.55 J3.65 J3.66 J3.67 J3.68 J3.69 J3.70 J3.71 J3.72 J3.73 J3.74 J3.75 J3.76 J3.78 J3.79 J3.80 J3.81 J3.83 J3.84 J3.85 J3.86 J3.101 J3.102 U2.3 U2.15 U2.28 U11.55

## Polygon pours and split planes (outlines as drawn)
+5V on Top Layer "GND" (solid, pour order 97): 3692.5,307.5 3692.5,667.5 3637.5,722.5 3992.5,722.5 3992.5,307.5
AGND on Top Layer "GND" (solid, pour order 95): 3512.5,537.5 3512.5,382.5 3572.5,382.5 3572.5,537.5
+5V on Top Layer "GND" (solid, pour order 93): 3590,500 3687.5,500 3687.5,292.5 3592.5,292.5 3590,295
+5V on Top Layer "GND" (solid, pour order 91): 3507.5,172.5 3437.5,242.5 3437.5,312.5 4040,312.5 4092.5,365 4440,365 4522.5,282.5 4522.5,172.5
+5V on Top Layer "GND" (solid, pour order 89): 492.5,237.5 492.5,312.5 3687.5,312.5 3687.5,237.5
+5V on Top Layer "GND" (solid, pour order 73): 180,972.5 180,417.5 285,312.5 492.5,312.5 492.5,237.5 270,237.5 120,387.5 120,972.5
+5V on Top Layer "GND" (solid, pour order 71): 180,972.5 180,1032.5 220,1072.5 225,1072.5 285,1072.5 317.5,1072.5 442.5,1197.5 442.5,1450 348.01,1544.49 198.11,1544.49 198.11,1435.43 367.07,1435.43 385,1417.5 385,1210 322.5,1147.5 307.5,1132.5 225,1132.5 197.5,1132.5 120,1055 120,972.5
VIN on Top Layer "GND" (solid, pour order 51): 200,1350 25,1350 25,1285 200,1285
VIN on Top Layer "GND" (solid, pour order 49): 87.5,25 87.5,1215 132.5,1260 144.35,1271.85 309.92,1271.85 309.92,1380.91 252.64,1380.91 198.11,1326.38 196.73,1325 25,1325 25,25
VIN on Top Layer "GND" (solid, pour order 46): 5367.5,25 5367.5,100 25,100 25,25
+5V on Top Layer "GND" (solid, pour order 86): 4924.8,2620 4924.8,2799.57 4837.13,2887.24 4767.4,2887.24 4767.4,3090.1 4645,3212.5 4887.5,3212.5 5287.5,2812.5 5287.5,2620
VIN on Top Layer "GND" (solid, pour order 83): 5275,765 5367.5,765 5367.5,25 5275,25 5275,765
VIN on Top Layer "GND" (solid, pour order 82): 4962.5,762.5 4975,750 5367.5,750 5367.5,1337.5 5185.77,1337.5 5142.36,1380.91 5033.41,1380.91 4987.5,1335 4987.5,916.63 4962.5,916.63
AGND on Top Layer "GND" (solid, pour order 80): 4962.5,675 4975,687.5 5237.5,687.5 5250,675 5250,487.5 5237.5,475 5212.5,450 4975,450 4962.5,462.5
AGND on Top Layer "GND" (solid, pour order 75): 2600,2757.5 2625,2732.5 2812.5,2732.5 2837.5,2757.5 2837.5,2907.5 2812.5,2932.5 2752.5,2932.5 2625,2932.5 2600,2907.5
NetC54_1 on Top Layer "GND" (solid, pour order 53): 1574.37,2575.63 1604.37,2575.63 1701.87,2673.13 1647.18,2727.82 1548.43,2629.07 1571.71,2605.79
NetC59_1 on Top Layer "GND" (solid, pour order 48): 1666.87,2477.82 1725.93,2536.87 1725.93,2640.63 1723.43,2643.13 1701.87,2643.13 1601.71,2542.97
AGND on Top Layer "GND" (solid, pour order 59): 4217.5,425 4191.71,450.79 4191.71,1091.71 4317.5,1217.5 4687.5,1217.5 4712.5,1192.5 4712.5,817.5 4667.5,772.5 4667.5,450 4642.5,425
NetC1_2 on Top Layer "GND" (solid, pour order 62): 4782.5,177.5 4922.5,177.5 4922.5,865 4917.5,860 4827.5,860 4827.5,660 4782.5,615 4782.5,610
+5V on Top Layer "GND" (solid, pour order 50): 3988.29,384.21 3989.07,385 4075,385 4075,1122.5 4077.5,1125 4322.5,1370 4325,1370 4125,1370 3987.5,1232.5 3987.5,1230
+5V on Top Layer "GND" (solid, pour order 55): 4125,1350 4125,1370 4299.49,1544.49 5196.89,1544.49 5196.89,1435.43 5142.36,1489.96 5085.08,1489.96 5014.55,1489.96 4879.59,1355
+5V on Top Layer "GND" (solid, pour order 61): 5196.89,1435.43 5194.82,1437.5 4945,1437.5 5010,1502.5 5012.5,1505 5197.5,1505
3.3V_ISO on Top Layer "GND" (solid, pour order 44): 460,1737.5 877.5,1737.5 877.5,1740 842.5,1775 590,1775 493.35,1871.65 198.11,1871.65 195.85,1871.65 75,1992.5 72.5,1995 20,1995 20,1825 370,1825
3.3V_ISO on Top Layer "GND" (solid, pour order 58): 842.5,1775 937.5,1680 937.5,1332.6 892.6,1332.6 890,1330 890,1650 805,1735 790,1735 790,1782.5 840,1782.5
+5V on Top Layer "GND" (solid, pour order 64): 5196.89,1435.43 5198.96,1437.5 5372.5,1437.5 5372.5,3287.5 4865,3287.5 4865,3215 4862.5,3212.5 4887.5,3212.5 5280,2820 5280,1627.6 5196.89,1544.49
3.3V_ISO on Top Layer "GND" (solid, pour order 72): 532.5,1832.5 532.5,1932.5 477.5,1877.5 477.5,1875 520,1832.5 532.5,1832.5
3.3V_ISO on Top Layer "GND" (solid, pour order 74): 1856.87,3258.13 1857.5,3258.76 1857.5,3287.5 292.5,3287.5 292.5,3072.5 773.74,3072.5 774.37,3071.87 862.5,3160 1130,3160 1132.5,3162.5 1228.75,3258.75
NetC32_1 on Top Layer "GND" (solid, pour order 77): 2887.5,3275 2912.5,3250 2912.5,3152.5 2912.5,3125 2887.5,3100 2715,3100 2687.5,3127.5 2687.5,3250 2712.5,3275
+5V on Top Layer "GND" (solid, pour order 78): 4887.5,3212.5 4887.5,3287.5 3000,3287.5 3000,3072.5 3017.5,3055 3092.5,3055 3092.5,3212.5
+5V on Top Layer "GND" (solid, pour order 47): 4464.74,227.5 4464.74,285.26 4400,350 4125,350 4090.79,384.21 4085,390 4085,452.5 3987.5,452.5 3987.5,227.5
+5V on Top Layer "GND" (solid, pour order 76): 5277.5,2092.5 4752.5,2092.5 4752.5,2212.5 4877.5,2212.5 4900,2235 4900,2235.34 4900,2482.5 4915,2497.5 5042.5,2497.5 5062.5,2517.5 5062.5,2619.37 5275.63,2619.37
3.3V_ISO on Top Layer "GND" (solid, pour order 81): 390,3287.5 20,3287.5 20,1977.5 92.5,1977.5 75,1995 75,2765 381.87,3071.87 390,3071.87
3.3V_ISO on Top Layer "GND" (solid, pour order 84): 1832.5,3258.13 1851.87,3258.13 1910,3200 2005,3105 2005,3040 2005,3002.5 2062.5,2945 2062.5,2775 2422.5,2415 2422.5,1740 2490,1740 2512.5,1762.5 2512.5,2497.5 2477.5,2532.5 2477.5,3287.5 1832.5,3287.5
NetC32_1 on Bottom Layer "GND" (solid, pour order 79): 2877.5,3030 2690,3030 2690,3165 2877.5,3165
AGND on Bottom Layer "GND" (solid, pour order 67): 662.5,1625 392.5,1625 309.92,1707.58 309.92,1708.07 20.57,1708.07 20,1707.5 20,20 662.5,20
GND_ISO on Bottom Layer "GND" (solid, pour order 68): 20,1825 372.5,1825 460,1737.5 490,1737.5 2487.5,1737.5 2512.5,1762.5 2512.5,2500 2487.5,2525 2477.5,2535 2477.5,2612.5 2477.5,3287.5 20,3287.5
GND_ISO on Bottom Layer "GND" (solid, pour order 70): 780,1740 802.5,1740 890,1652.5 890,1235 912.5,1212.5 1210,1212.5 1240,1242.5 1240,1252.5 1240,1650 1330,1740 1350,1740 1350,1755 780,1755
AGND on Bottom Layer "GND" (solid, pour order 65): 5372.5,1712.5 5372.5,3287.5 2575,3287.5 2575,2575 2612.5,2537.5 2612.5,2515 2612.5,1735 2590,1712.5
AGND on Bottom Layer "GND" (solid, pour order 45): 637.5,1625 672.5,1625 770,1527.5 770,1505 770,1215 887.5,1097.5 1247.5,1097.5 1362.5,1212.5 1362.5,1227.5 1362.5,1525 1462.5,1625 2502.5,1625 2612.5,1735 5372.5,1735 5372.5,775 640,775 637.5,777.5
AGND on Bottom Layer "GND" (solid, pour order 52): 3500,20 3500,805 5372.18,805 5372.5,805.32 5372.5,20
AGND on Bottom Layer "GND" (solid, pour order 54): 3512.5,662.5 1762.5,662.5 1762.5,807.5 3512.5,807.5
AGND on Bottom Layer "GND" (solid, pour order 57): 632.5,20 1800,20 1800,827.5 632.5,827.5

## Other copper
Top Layer:
  rectangle net +5V: 382.5,1237.5 442.5,1297.5

## Silkscreen, mask and mechanical layers (free items; w line width, h text height)
Top Overlay:
  circle w10: c196.85,3129.92 r137.8
  circle w10: c196.85,177.17 r137.8
  circle w10: c5196.85,177.17 r137.8
  circle w10: c5196.85,3129.92 r137.8
  lines w10: 20,1708.07 309.92,1708.07 ; 20,1824.63 371.75,1824.63 437.5,1758.88 458.88,1737.5 805,1737.5 890,1652.5 890,1235.02 912.5,1212.52 1212.52,1212.52 1240,1240 1240,1650 1330,1740 2490,1740 2512.5,1762.5 2512.5,1810 2512.5,2497.5 2477.5,2532.44 2476.87,3287.5 ; 309.43,1708.07 392.5,1625 672.5,1625 770.02,1527.48 770.02,1212.52 885.04,1097.5 1249.98,1097.5 1362.5,1210.02 1362.5,1525 1462.5,1625 2490,1625 2502.5,1625 2612.5,1735 2612.5,2537.5 2575,2575 2575,3285 ; 3142.5,1980 3142.5,1782.5 4845,1782.5 4845,1982.5 3142.5,1982.5 ; 20,20 20,3287.5 5372.5,3287.5 5372.5,20 20,20
Bottom Overlay:
  lines w10: 1800,20 1800,662.5 3500,662.5 3500,20
Drill Drawing:
  lines w10: 0,570.87 5393.7,570.87 ; 0,2736.22 5393.7,2736.22 ; 196.85,177.17 5196.85,177.17 ; 196.85,3129.92 5196.85,3129.92 ; 796.85,0 796.85,177.17 ; 996.85,0 996.85,177.17 ; 1196.85,0 1196.85,177.17 ; 1396.85,0 1396.85,177.17 ; 1596.85,0 1596.85,177.17 ; 1796.85,0 1796.85,177.17 ; 1996.85,0 1996.85,177.17 ; 2196.85,0 2196.85,177.17 ; 2396.85,0 2396.85,177.17 ; 3196.85,0 3196.85,177.17 ; 3196.85,3129.92 3196.85,3307.09 ; 3396.85,0 3396.85,177.17 ; 3396.85,3129.92 3396.85,3307.09 ; 3596.85,0 3596.85,177.17 ; 3596.85,3129.92 3596.85,3307.09 ; 3796.85,0 3796.85,177.17 ; 3796.85,3129.92 3796.85,3307.09 ; 3996.85,3129.92 3996.85,3307.09 ; 4039.35,0 4039.35,177.17 ; 4196.85,3129.92 4196.85,3307.09 ; 4239.35,0 4239.35,177.17 ; 4396.85,3129.92 4396.85,3307.09 ; 4439.35,0 4439.35,177.17 ; 4596.85,3129.92 4596.85,3307.09 ; 4639.35,0 4639.35,177.17 ; 0,0 5393.7,0 5393.7,3307.09 0,3307.09 0,0 ; 2596.85,0 2596.85,177.17 2596.85,0 ; 2796.85,0 2796.85,177.17 2796.85,0 ; 2996.85,0 2996.85,177.17 2996.85,0

## Dimensions
0,0 to 5393.7,0 on Drill Drawing
0,0 to 196.85,177.17 on Drill Drawing
0,0 to 196.85,177.17 on Drill Drawing
0,3307.09 to 0,0 on Drill Drawing
196.85,3129.92 to 196.85,177.17 on Drill Drawing
196.85,177.17 to 5196.85,177.17 on Drill Drawing

## Text inside footprints (layer, text, board x,y; h text height)
J1: Top Overlay "1" at 4985,2006.04 h40; Top Overlay "8" at 5055,1198.54 h40 r270; Top Overlay "15" at 5250,1331.04 h40 r270; Top Overlay "9" at 5240,2048.54 h40 r270
J2: Top Overlay "1" at 410,1301.04 h40 r180; Top Overlay "8" at 340,2108.54 h40 r90; Top Overlay "15" at 145,1976.04 h40 r90; Top Overlay "9" at 155,1258.54 h40 r90
J3: Top Overlay "1" at 867.5,1310 h40; Top Overlay "51" at 825,1465 h40; Top Overlay "6" at 1250,1240 h40; Top Overlay "55" at 1172.5,1467.5 h40; Top Overlay "7" at 1380,1335 h40; Top Overlay "57" at 1327.5,1462.5 h40; Top Overlay "22" at 2227.5,1235 h40; Top Overlay "71" at 2182.5,1462.5 h40; Top Overlay "24" at 2375,1240 h40; Top Overlay "73" at 2327.5,1465 h40; Top Overlay "100" at 3797.5,1460 h40; Top Overlay "50" at 3830,1235 h40
J5: Top Overlay "1" at 3595,1072.5 h50
J11: Top Overlay "3V3" at 2452.5,1995 h40 r90; Top Overlay "IO" at 2352.5,2017.5 h40 r90; Top Overlay "I2C" at 2252.5,1997.5 h40 r90; Top Overlay "HSMCI" at 1905,2032.5 h40; Top Overlay "SPI" at 1585,2030 h40; Top Overlay "IO" at 1447.5,2017.5 h40 r90; Top Overlay "GND" at 1352.5,1995 h40 r90; Top Overlay "ADC" at 1032.5,2032.5 h40; Top Overlay "GND" at 850,1997.5 h40 r90; Top Overlay "DAC" at 750,1997.5 h40 r90; Top Overlay "USB" at 650,1997.5 h40 r90; Top Overlay "3V3" at 550,1997.5 h40 r90